# Allegro board 1155001-Timing_board_V3_20241024_1805_pcb.brd (continued)
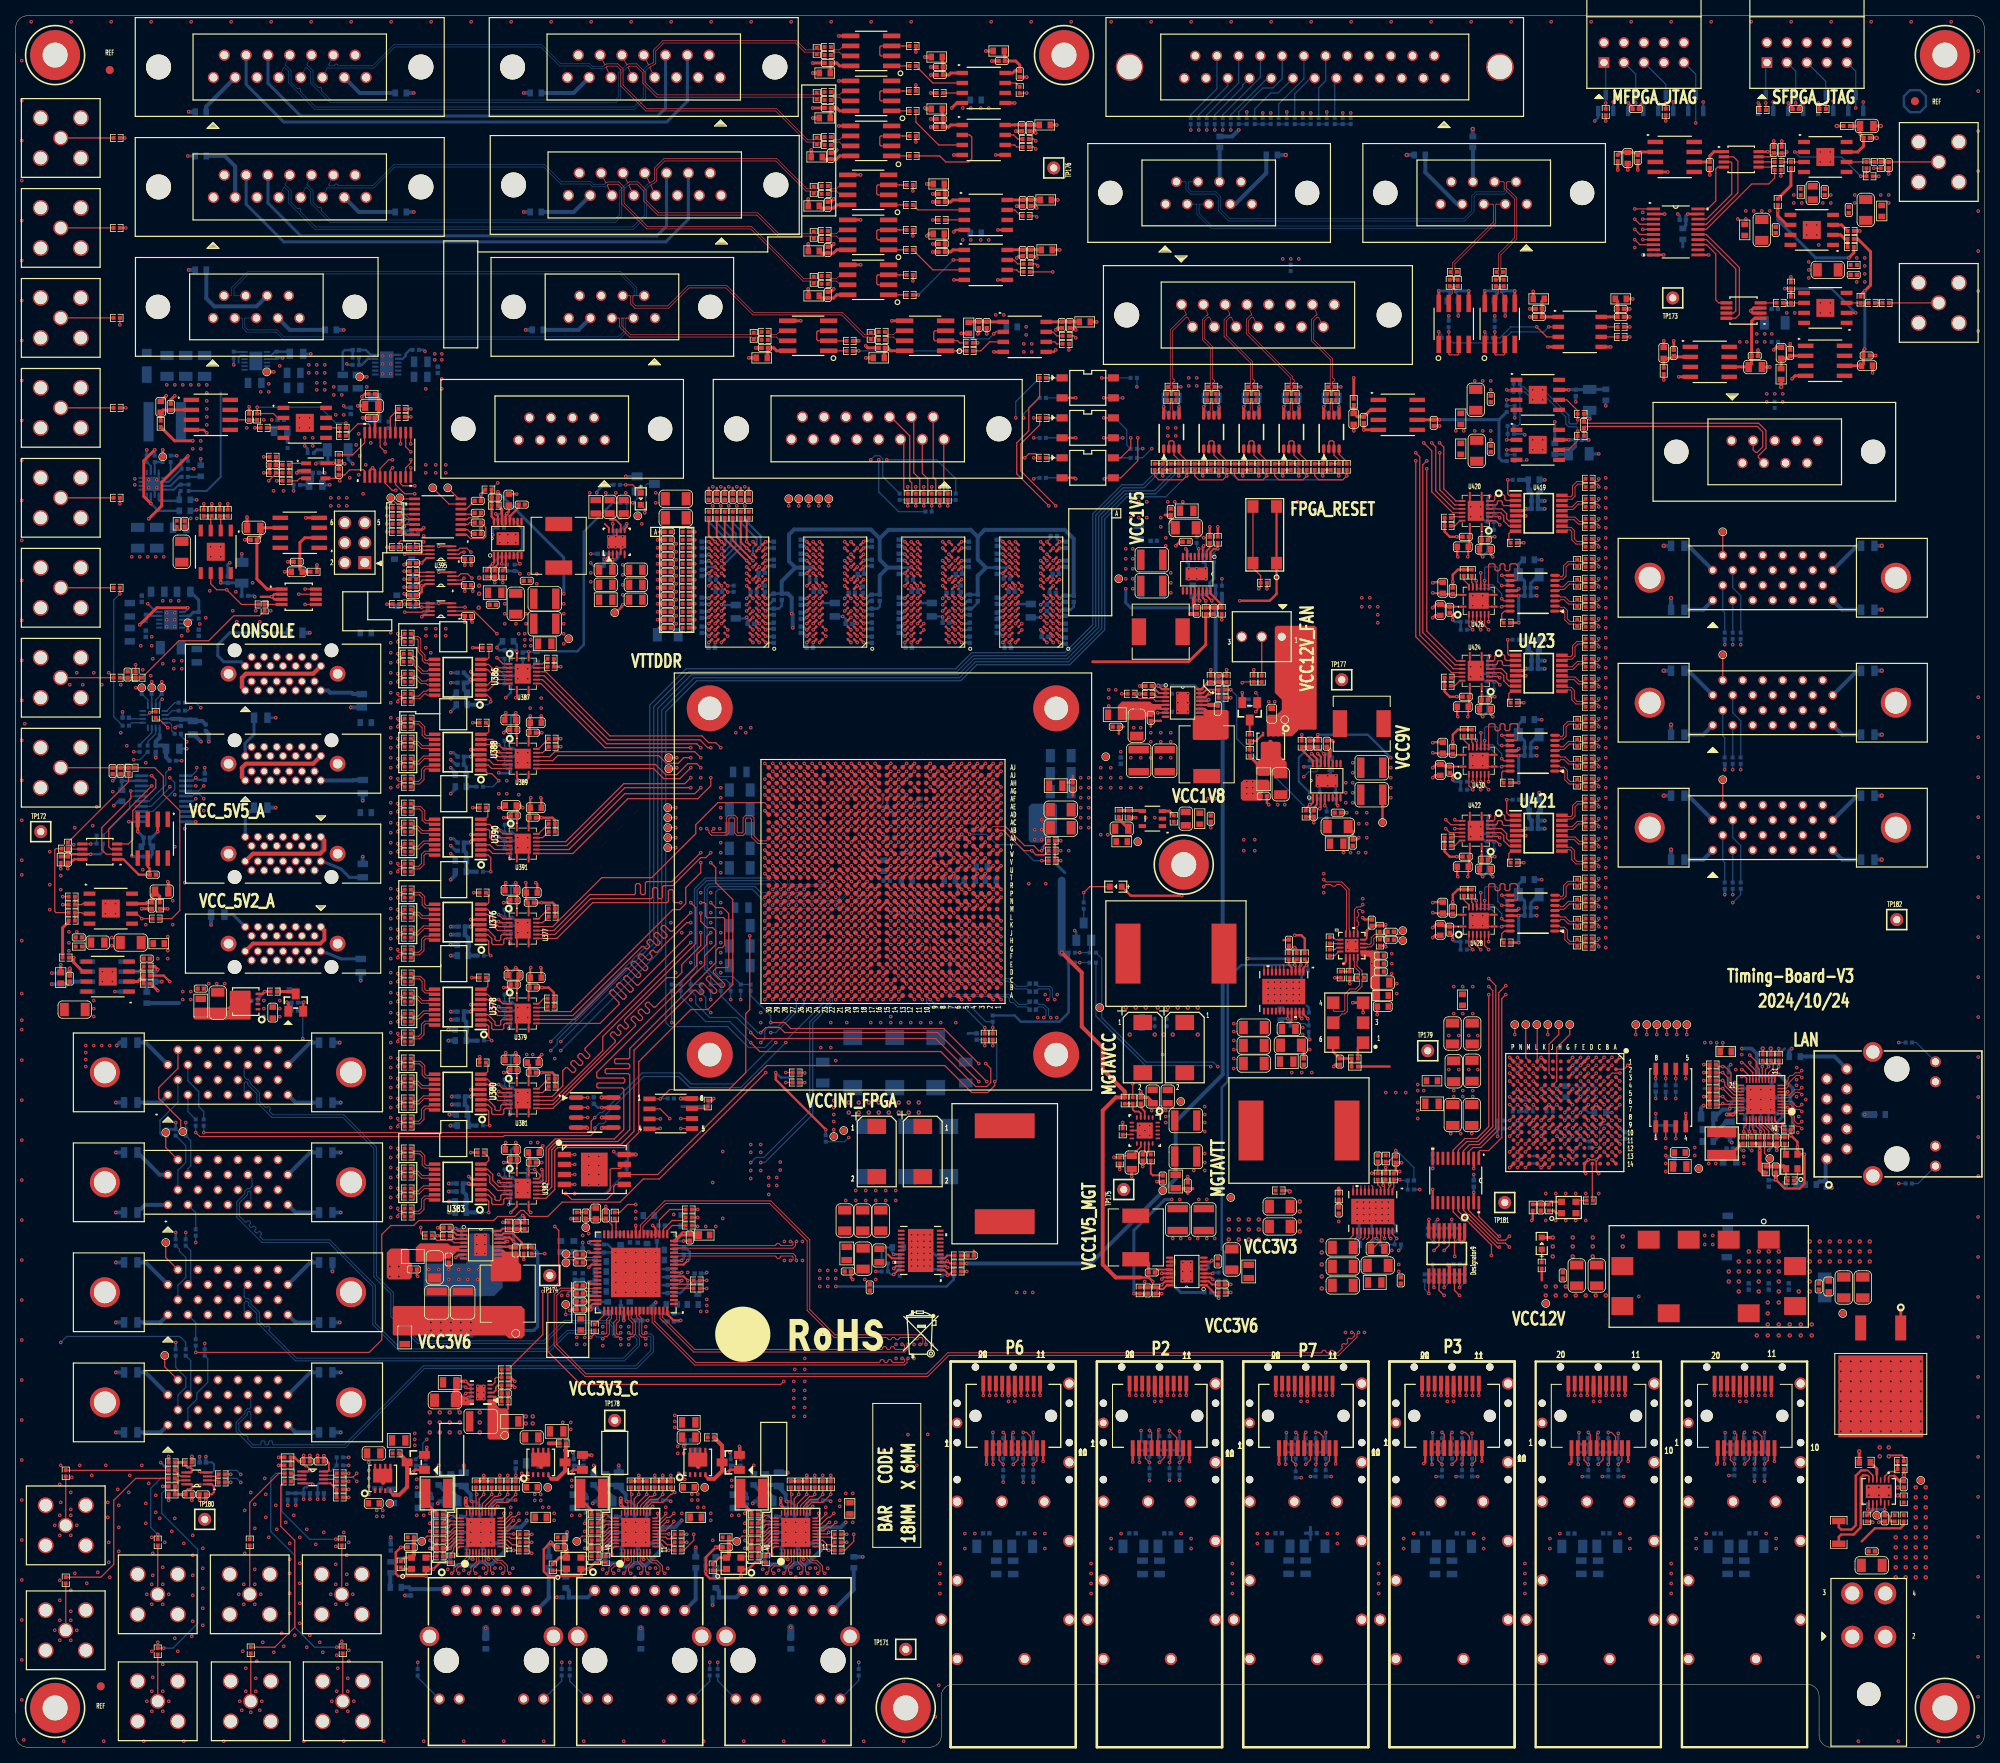
[diagram p0: board, top side]
## Routing (per net, layer and track width the routed paths; a pad name or vN(x,y) marks a point on that pad's centre or on a via; arc(x,y) is an arc through that point) (continued)
TIMING_SPI_MISO_7_P_H: length 4.4
  TOP w0.157: U423.7 189.65,134.84 188.98,135.51 188.98,136.14 188.59,136.53 U424.4
TIMING_SPI_MOSI_1_N_C: length 46.6
  TOP w0.122: R2936.2 49.04,67.78 48.64,67.78 48.51,67.66 v1(48.51,67.44)
  ART03 w0.099: J62.25 32.92,46.29 32.92,45.07 33.02,44.97 33.16,44.97 33.31,45.13 33.31,45.33 34.05,46.07 35.55,46.07 36.07,46.59 36.07,46.84 36.23,46.99 36.48,46.99 36.63,47.15 36.63,47.4 36.79,47.56 37.04,47.56 37.2,47.71 37.2,47.96 37.35,48.12 37.6,48.12 37.76,48.27 37.76,48.52 37.91,48.68 38.16,48.68 38.32,48.83 38.32,49.08 38.47,49.24 38.72,49.24 38.88,49.39 38.88,49.65 39.03,49.8 39.29,49.8 39.44,49.95 39.44,50.21 39.59,50.36 39.85,50.36 40,50.51 40,50.77 40.15,50.92 40.41,50.92 41.47,51.98 44.58,51.98 49.48,56.89 49.48,57.4 49.38,57.5 48.26,57.5 47.96,57.8 47.96,58.48 48.26,58.78 49.38,58.78 49.48,58.88 49.48,62.89 49.38,62.98 48,62.98 47.7,63.28 47.7,63.96 48,64.26 49.38,64.26 49.48,64.36 49.48,64.76 49.38,64.86 48,64.86 47.7,65.16 47.7,65.84 48,66.14 49.38,66.14 49.48,66.24 49.48,67.67 49.38,67.77 48.85,67.77 v1(48.51,67.44)
TIMING_SPI_MOSI_1_P: length 83.9
  TOP w0.157: U382.10 67.33,69.75 68.45,70.87 68.45,75.82 68.83,76.2 77.22,76.2 79.12,78.11 79.12,87.12 85.72,93.73 87.88,93.73 91.06,96.9 91.06,107.7 88.9,109.86 88.9,111.76 v1(88.27,112.39) ; U247.AA20 v1(105.14,116)
  ART10 w0.117: v1(88.27,112.39) 87.76,112.39 87.12,113.03 86.87,113.03 86.49,113.41 86.49,113.79 86.82,114.12 92.28,114.12 93.6,115.44 104.58,115.44 v1(105.14,116)
TIMING_SPI_MOSI_1_P_C: length 46.6
  TOP w0.122: v1(48.51,68.45) 48.51,68.23 48.64,68.11 49.04,68.11 R2935.2
  ART03 w0.099: v1(48.51,68.45) 48.85,68.12 49.52,68.12 49.82,67.82 49.82,66.1 49.52,65.8 48.14,65.8 48.04,65.7 48.04,65.3 48.14,65.2 49.52,65.2 49.82,64.9 49.82,64.22 49.52,63.92 48.14,63.92 48.04,63.82 48.04,63.43 48.14,63.33 49.52,63.33 49.82,63.03 49.82,58.73 49.52,58.43 48.4,58.43 48.31,58.33 48.31,57.94 48.4,57.84 49.52,57.84 49.82,57.54 49.82,56.74 44.72,51.64 41.61,51.64 35.7,45.73 34.19,45.73 33.66,45.19 33.66,44.98 33.3,44.63 33.05,44.63 32.92,44.49 32.92,43.24 J62.12
TIMING_SPI_MOSI_1_P_H: length 5.1
  TOP w0.157: U382.7 62.13,69.75 61.98,69.59 61.98,69.12 61.82,68.96 60.61,68.96 60.45,69.12 60.45,69.72 59.98,70.19 U383.2
TIMING_SPI_MOSI_2_N_C: length 41.6
  TOP w0.122: R2894.2 49.04,90 48.64,90 48.51,89.88 v1(48.51,89.66)
  ART03 w0.099: J73.25 32.92,74.26 32.92,73 33.02,72.9 33.25,72.9 33.35,73 33.35,73.29 35,74.94 35,75.08 34.86,75.22 34.86,75.36 35,75.5 35.14,75.5 35.28,75.36 35.42,75.36 35.56,75.5 35.56,75.64 35.42,75.78 35.42,75.92 35.56,76.06 35.7,76.06 35.84,75.92 35.98,75.92 36.39,76.33 36.39,76.48 36.02,76.85 36.02,77.27 36.51,77.75 36.93,77.75 37.3,77.38 37.44,77.38 37.72,77.66 37.72,77.8 37.35,78.17 37.35,78.6 37.83,79.08 38.26,79.08 38.63,78.71 38.77,78.71 39.05,78.99 39.05,79.13 38.68,79.5 38.68,79.92 39.16,80.41 39.58,80.41 39.95,80.03 40.09,80.03 42.05,81.99 42.05,82.13 41.36,82.82 41.36,83.25 41.84,83.73 42.26,83.73 42.96,83.04 43.1,83.04 44.81,84.75 44.81,85.88 45.06,86.12 45.06,86.26 44.32,87.01 44.32,87.43 44.8,87.91 45.22,87.91 45.97,87.17 46.11,87.17 46.39,87.45 46.39,87.59 45.64,88.33 45.64,88.76 46.13,89.24 46.55,89.24 47.29,88.5 47.43,88.5 47.96,89.03 49.3,89.03 49.58,89.31 49.58,89.74 49.32,90 48.85,90 v1(48.51,89.66)
TIMING_SPI_MOSI_2_P: length 47.3
  TOP w0.122: U247.M29 v1(96.14,106)
  TOP w0.157: v1(85.72,103.5) 79.07,96.85 78.85,96.85 77.67,98.02 77.45,98.02 77.23,97.8 77.23,97.58 78.4,96.4 78.4,96.18 78.18,95.96 77.96,95.96 76.78,97.13 76.56,97.13 76.34,96.91 76.34,96.69 77.51,95.51 77.51,95.29 77.29,95.07 77.07,95.07 75.89,96.24 75.67,96.24 75.45,96.02 75.45,95.8 76.62,94.62 76.62,94.4 74.19,91.97 U379.10
  ART05 w0.102: v1(96.14,106) 95.74,105.6 94.64,105.6
  ART05 w0.117: 94.64,105.6 91.63,105.6 90.75,104.72 88.88,104.72 88.49,104.34 86.56,104.34 v1(85.72,103.5)
TIMING_SPI_MOSI_2_P_C: length 41.6
  TOP w0.122: v1(48.51,90.68) 48.51,90.46 48.64,90.34 49.04,90.34 R2893.2
  ART03 w0.099: v1(48.51,90.68) 48.85,90.34 49.46,90.34 49.92,89.88 49.92,89.16 49.44,88.68 48.11,88.68 47.57,88.15 47.15,88.15 46.41,88.9 46.27,88.9 45.99,88.61 45.99,88.47 46.73,87.73 46.73,87.31 46.25,86.83 45.82,86.83 45.08,87.57 44.94,87.57 44.66,87.29 44.66,87.15 45.4,86.41 45.4,85.98 45.16,85.73 45.16,84.61 43.24,82.69 42.81,82.69 42.12,83.39 41.98,83.39 41.7,83.1 41.7,82.97 42.39,82.27 42.39,81.85 40.24,79.69 39.81,79.69 39.44,80.06 39.3,80.06 39.02,79.78 39.02,79.64 39.39,79.27 39.39,78.85 38.91,78.36 38.48,78.36 38.11,78.74 37.97,78.74 37.69,78.45 37.69,78.32 38.06,77.94 38.06,77.52 37.58,77.04 37.16,77.04 36.79,77.41 36.65,77.41 36.37,77.13 36.37,76.99 36.74,76.62 36.74,76.19 33.69,73.15 33.69,72.86 33.39,72.56 33.02,72.56 32.92,72.46 32.92,71.2 J73.12
TIMING_SPI_MOSI_2_P_H: length 5.1
  TOP w0.157: U378.2 59.98,92.42 60.45,91.95 60.45,91.34 60.61,91.19 61.82,91.19 61.98,91.34 61.98,91.81 62.13,91.97 U379.7
TIMING_SPI_MOSI_3_N_C: length 40.8
  TOP w0.122: R2878.2 49.04,100.67 48.64,100.67 48.51,100.55 v1(48.51,100.33)
  ART03 w0.099: v1(48.51,100.33) 48.85,100.67 51.2,100.67 51.3,100.57 51.3,95.45 51.18,95.33 50.81,95.33 50.71,95.43 50.71,99.27 50.41,99.57 47.25,99.57 46.77,99.1 46.77,98.19 41.13,92.54 40.22,92.54 36.61,88.93 36.47,88.93 36.31,89.09 36.17,89.09 36.03,88.95 36.03,88.81 36.19,88.65 36.19,88.51 35.84,88.16 35.24,88.16 35.14,88.26 35.14,88.45 35.04,88.55 34.84,88.55 34.74,88.45 34.74,88.26 34.64,88.16 34.18,88.16 33.35,87.33 33.35,86.97 33.25,86.87 33.02,86.87 32.92,86.97 32.92,88.23 J74.25
TIMING_SPI_MOSI_3_P: length 44.4
  TOP w0.122: U247.U24 v1(101.14,112)
  TOP w0.157: v1(84.45,107.31) 83.67,107.31 83.51,107.47 83.51,108.81 83.36,108.97 83.04,108.97 82.88,108.81 82.88,107.47 82.73,107.31 73.28,107.31 68.73,102.77 U377.10
  ART08 w0.102: v1(101.14,112) 101.6,111.54 101.6,110.49 100.97,109.86 100.97,109.22 100.35,108.6 94.36,108.6
  ART08 w0.117: v1(84.45,107.31) 85.27,108.13 89.2,108.13 89.68,108.6 94.36,108.6
TIMING_SPI_MOSI_3_P_C: length 40.8
  TOP w0.122: v1(48.51,101.35) 48.51,101.13 48.64,101 49.04,101 R2877.2
  ART03 w0.099: v1(48.51,101.35) 48.85,101.01 51.34,101.01 51.64,100.71 51.64,95.31 51.32,94.98 50.66,94.98 50.36,95.28 50.36,99.13 50.26,99.23 47.39,99.23 47.12,98.95 47.12,98.04 41.27,92.2 40.37,92.2 35.98,87.82 34.33,87.82 33.69,87.18 33.69,86.83 33.39,86.53 33.02,86.53 32.92,86.43 32.92,85.17 J74.12
TIMING_SPI_MOSI_3_P_H: length 5.1
  TOP w0.157: U377.7 62.13,102.77 61.98,102.61 61.98,102.14 61.82,101.98 60.61,101.98 60.45,102.14 60.45,102.74 59.98,103.21 U376.2
TIMING_SPI_MOSI_4_N_C: length 45.2
  TOP w0.122: R2912.2 49.04,79.21 48.64,79.21 48.51,79.09 v1(48.51,78.87)
  ART03 w0.099: v1(48.51,78.87) 48.85,79.2 49.32,79.2 49.53,78.99 49.53,78.26 48.74,77.47 46.75,77.47 46.45,77.17 46.45,75.68 46.35,75.59 45.95,75.59 45.85,75.68 45.85,77.17 45.55,77.47 44.58,77.47 43.36,76.25 43.36,75.83 44.63,74.56 44.63,74.42 44.34,74.14 44.2,74.14 42.94,75.4 42.51,75.4 40.01,72.9 40.01,66.5 40.43,66.07 40.81,66.07 40.91,65.98 40.91,65.58 40.81,65.48 40.43,65.48 40.13,65.18 40.13,63.12 37.08,60.07 36.41,60.07 36.31,60.17 36.31,60.37 36.21,60.47 36.01,60.47 35.91,60.37 35.91,60.17 35.81,60.07 35.61,60.07 35.51,60.17 35.51,60.37 35.42,60.47 35.22,60.47 35.12,60.37 35.12,60.17 35.02,60.07 34.09,60.07 33.3,59.28 33.3,59.03 33.2,58.93 33.02,58.93 32.92,59.03 32.92,60.29 J94.25
TIMING_SPI_MOSI_4_P: length 46.4
  TOP w0.122: U247.L30 v1(95.14,105)
  TOP w0.157: v1(88.27,103.5) 87.76,103 87.76,101.98 86.49,100.71 86.49,99.31 81.23,94.05 81,94.05 80.4,94.66 80.18,94.66 79.95,94.43 79.95,94.21 80.49,93.67 80.49,93.45 80.27,93.22 80.05,93.22 79.51,93.76 79.29,93.76 79.06,93.54 79.06,93.32 79.6,92.78 79.6,92.56 79.38,92.33 79.16,92.33 78.62,92.87 78.4,92.87 78.17,92.65 78.17,92.43 78.71,91.89 78.71,91.67 68.22,81.18 U381.10
  ART05 w0.117: v1(88.27,103.5) 88.9,103.5 89.34,103.94 91.03,103.94 91.98,104.9 95.04,104.9 v1(95.14,105)
TIMING_SPI_MOSI_4_P_C: length 45.2
  TOP w0.122: v1(48.51,79.88) 48.51,79.66 48.64,79.54 49.04,79.54 R2911.2
  ART03 w0.099: v1(48.51,79.88) 48.85,79.55 49.46,79.55 49.87,79.14 49.87,78.12 48.88,77.13 46.89,77.13 46.79,77.03 46.79,75.54 46.49,75.24 45.81,75.24 45.51,75.54 45.51,77.03 45.41,77.13 44.72,77.13 43.7,76.11 43.7,75.97 44.97,74.7 44.97,74.28 44.49,73.79 44.06,73.79 42.79,75.06 42.65,75.06 40.35,72.76 40.35,66.64 40.57,66.42 40.95,66.42 41.25,66.12 41.25,65.44 40.95,65.14 40.57,65.14 40.47,65.04 40.47,62.98 37.23,59.73 34.23,59.73 33.64,59.14 33.64,58.89 33.34,58.59 33.02,58.59 32.92,58.49 32.92,57.23 J94.12
TIMING_SPI_MOSI_4_P_H: length 5.1
  TOP w0.157: U380.2 59.98,81.62 60.45,81.15 60.45,80.55 60.61,80.39 61.82,80.39 61.98,80.55 61.98,81.02 62.13,81.18 U381.7
TIMING_SPI_MOSI_5_N_C: length 37.5
  TOP w0.122: v1(201.04,161.16) 201.04,160.94 200.92,160.82 200.51,160.82 R3204.2
  ART10 w0.099: v1(201.04,161.16) 201.04,160.93 201.14,160.83 219.87,160.83 228.42,152.28 228.42,150.95 229.61,149.76 229.75,149.76 229.9,149.91 229.9,151.04 J112.25
TIMING_SPI_MOSI_5_P: length 194.5
  TOP w0.157: U247.AB20 v1(106.14,117) ; U420.10 182.9,158.35 181.36,159.89 181.36,165.2 v1(180.82,165.74)
  ART05 w0.102: v1(106.14,117) 105.74,117.4 96.52,117.4
  ART05 w0.117: v1(180.82,165.74) 180.32,165.23 178.56,165.23 175.64,168.15 173.26,168.15 173.14,168.03 173.14,167.25 173.02,167.13 172.79,167.13 172.67,167.25 172.67,168.03 172.56,168.15 172.32,168.15 172.2,168.03 172.2,167.25 172.09,167.13 171.85,167.13 171.74,167.25 171.74,168.03 171.62,168.15 132.24,168.15 130.04,170.35 80.65,170.35 78.57,168.27 78.57,164.59 75.36,161.38 75.36,158.88 74.07,157.58 74.07,133.14 84.86,122.35 89.74,122.35 94.49,117.6 96.32,117.6 96.52,117.4
TIMING_SPI_MOSI_5_P_C: length 37.5
  TOP w0.122: v1(201.04,160.15) 201.04,160.37 200.92,160.49 200.51,160.49 R3202.2
  ART10 w0.099: v1(201.04,160.15) 201.38,160.48 219.73,160.48 228.08,152.13 228.08,150.8 229.46,149.42 229.8,149.42 229.9,149.32 229.9,148.04 J112.12
TIMING_SPI_MOSI_5_P_H: length 4.5
  TOP w0.157: U420.7 187.68,158.35 187.83,158.5 187.83,158.97 187.99,159.13 188.95,159.13 189.1,158.97 189.1,158.6 189.29,158.41 U419.2
TIMING_SPI_MOSI_6_N_C: length 37.1
  TOP w0.122: R3220.2 200.51,120.18 200.92,120.18 201.04,120.3 v1(201.04,120.52)
  ART10 w0.099: J113.25 229.9,119.29 229.9,118.16 229.75,118.01 229.61,118.01 228.42,119.2 228.42,121.74 226.89,123.28 208.12,123.28 205.02,120.19 201.14,120.19 201.04,120.29 v1(201.04,120.52)
TIMING_SPI_MOSI_6_P: length 172.6
  TOP w0.122: U247.AE21 v1(105.14,120)
  TOP w0.157: U422.10 182.9,117.71 v1(182.75,117.86)
  ART05 w0.102: v1(105.14,120) 105.14,120.38 105.54,120.78 105.54,125.22 105.44,125.32 105.44,126.47
  ART05 w0.117: 105.44,126.47 92.96,138.94 86.74,138.94 85.8,139.88 85.8,153.75 85.98,153.92 86.49,153.92 87.62,155.06 129.69,155.06 130.77,156.14 135.58,156.14 138.56,153.16 142.37,153.16 144.65,150.88 155.95,150.88 156.07,150.76 156.07,149.98 156.18,149.86 156.42,149.86 156.53,149.98 156.53,150.89 156.65,151 156.88,151 157,150.89 157,149.98 157.12,149.86 157.35,149.86 157.47,149.98 157.47,150.89 157.59,151 157.82,151 157.94,150.89 157.94,149.98 158.05,149.86 158.29,149.86 158.4,149.98 158.4,150.76 158.52,150.88 159.26,150.88 178.56,131.57 178.56,122.05 v1(182.75,117.86)
TIMING_SPI_MOSI_6_P_C: length 37.1
  TOP w0.122: R3218.2 200.51,119.85 200.92,119.85 201.04,119.73 v1(201.04,119.51)
  ART10 w0.099: v1(201.04,119.51) 201.38,119.84 205.16,119.84 208.26,122.94 226.75,122.94 228.08,121.6 228.08,119.05 229.46,117.67 229.8,117.67 229.9,117.57 229.9,116.29 J113.12
TIMING_SPI_MOSI_6_P_H: length 4.5
  TOP w0.157: U421.2 189.29,117.77 189.1,117.96 189.1,118.33 188.95,118.49 187.99,118.49 187.83,118.33 187.83,117.86 187.68,117.71 U422.7
TIMING_SPI_MOSI_7_N_C: length 36.5
  TOP w0.122: R3236.2 200.51,140.5 200.92,140.5 201.04,140.62 v1(201.04,140.84)
  ART10 w0.099: J114.25 229.9,135.17 229.9,134.04 229.75,133.89 229.61,133.89 228.42,135.07 228.42,136.93 224.3,141.06 203.18,141.06 202.63,140.51 201.14,140.51 201.04,140.61 v1(201.04,140.84)
TIMING_SPI_MOSI_7_P: length 194.8
  TOP w0.122: U247.AH25 v1(100.14,123)
  TOP w0.157: v1(179.2,162.43) 179.2,141.82 182.99,138.03 U424.10
  ART05 w0.102: 94.74,120.73 94.87,120.6 99.3,120.6 99.54,120.83 99.54,120.84 99.57,120.87 99.57,122.43 v1(100.14,123)
  ART05 w0.117: 94.74,120.73 93.98,120.73 90.03,124.68 87.89,124.68 87.31,125.27 85.48,125.27 76.96,133.78 76.96,144.35 77.52,144.91 77.52,154.13 76.87,154.78 76.87,157.69 78.23,159.05 78.23,159.69 82.63,164.08 125.98,164.08 126.87,164.97 138.71,164.97 139.85,163.83 169.87,163.83 169.99,163.71 169.99,162.86 170.11,162.75 170.34,162.75 170.46,162.86 170.46,163.56 170.58,163.68 170.89,163.68 171.01,163.56 171.01,162.8 171.13,162.69 171.36,162.69 171.48,162.8 171.48,163.56 171.59,163.68 171.83,163.68 171.94,163.56 171.94,162.8 172.06,162.69 172.29,162.69 172.41,162.8 172.41,163.56 172.53,163.68 172.76,163.68 172.88,163.56 172.88,162.55 172.99,162.43 v1(179.2,162.43)
TIMING_SPI_MOSI_7_P_C: length 36.5
  TOP w0.122: R3234.2 200.51,140.17 200.92,140.17 201.04,140.05 v1(201.04,139.83)
  ART10 w0.099: v1(201.04,139.83) 201.38,140.16 202.77,140.16 203.33,140.72 224.16,140.72 228.08,136.79 228.08,134.93 229.46,133.54 229.8,133.54 229.9,133.45 229.9,132.16 J114.12
TIMING_SPI_MOSI_7_P_H: length 4.5
  TOP w0.157: U423.2 189.29,138.09 189.1,138.28 189.1,138.65 188.95,138.81 187.99,138.81 187.83,138.65 187.83,138.18 187.68,138.03 U424.7
TMP75_ALERT: length 51.1
  TOP w0.157: U247.J21 v1(105.14,103) ; U79.3 v1(72.64,80.01)
  ART10 w0.102: 94.74,99.31 95.03,99.6 97.44,99.6 97.66,99.82 97.66,100.46 97.79,100.58 98.55,100.58 98.68,100.71 98.68,101.22 98.93,101.47 99.44,101.47 99.69,101.73 99.69,102.23 99.95,102.49 104.27,102.49 104.78,103 v1(105.14,103)
  ART10 w0.117: v1(72.64,80.01) 73.28,80.64 75.02,80.64 79.72,85.34 89.15,85.34 90.93,87.12 90.93,91.19 94.31,94.56 94.31,98.88 94.74,99.31
  BOTTOM w0.157: R501.2 v1(72.64,80.01)
TMP75_IIC_SCL: length 48.6
  TOP w0.157: U247.K21 v1(104.14,104) ; U79.2 v1(72.64,81.28)
  ART10 w0.102: v1(104.14,104) 103.64,103.5 99.95,103.5 99.57,103.12 99.57,102.62 99.44,102.49 98.93,102.49 98.68,102.23 98.68,101.73 98.42,101.47 97.92,101.47 97.66,101.22 97.66,100.84 97.22,100.4 94.94,100.4 94.49,99.95
  ART10 w0.117: 94.49,99.95 93.85,99.31 93.85,94.83 89.57,90.55 80.05,90.55 73.15,83.65 73.15,81.79 v1(72.64,81.28)
  BOTTOM w0.157: R500.2 v1(72.64,81.28)
TMP75_IIC_SDA: length 48.6
  TOP w0.157: U79.1 v1(72.64,82.55) ; U247.L21 v1(104.14,105)
  ART10 w0.102: v1(104.14,105) 103.66,104.52 99.95,104.52 99.69,104.27 99.69,103.63 99.57,103.5 98.81,103.5 98.68,103.38 98.68,102.74 98.42,102.49 97.79,102.49 97.66,102.36 97.66,101.73 97.41,101.47 95.89,101.47 95.63,101.22 95.63,100.84 95.39,100.6 94.86,100.6
  ART10 w0.117: 94.86,100.6 94.51,100.6 92.71,98.81 92.71,94.28 89.4,90.97 79.87,90.97 72.64,83.74 v1(72.64,82.55)
  BOTTOM w0.157: R499.2 v1(72.64,82.55)
TO_DATA_ACQ_1_CLK_N: length 71.4
  TOP w0.122: v1(80.01,52.67) 79.8,52.45 79.62,52.45 79.5,52.58 79.5,54.48 79.16,54.83 79.16,55.03 79.24,55.11 U105.61
  BOTTOM w0.122: v1(80.01,52.67) 80.15,52.53 80.66,52.53 80.98,52.21 80.98,50.24 78.87,48.13 51.9,48.13 41.87,38.1 30.01,38.1 27.99,40.12 27.99,41.28 29.08,42.38 29.08,42.67 29.41,43 29.66,43 29.84,43.18 29.84,44.42 J62.22
TO_DATA_ACQ_1_CLK_P: length 71.4
  TOP w0.122: U105.60 78.74,55.12 78.82,55.03 78.82,54.69 79.17,54.35 79.17,52.44 79.49,52.12 79.79,52.12 v1(80.01,51.9)
  BOTTOM w0.122: J62.9 29.84,41.31 29.84,42.55 29.72,42.67 29.55,42.67 29.41,42.54 29.41,42.24 28.32,41.15 28.32,40.26 28.97,39.61 29.3,39.61 29.48,39.42 29.48,39.1 30.15,38.43 31.04,38.43 31.16,38.55 31.16,38.8 31.28,38.93 31.52,38.93 31.65,38.8 31.65,38.55 31.77,38.43 32.01,38.43 32.13,38.55 32.13,38.8 32.25,38.93 32.5,38.93 32.62,38.8 32.62,38.55 32.74,38.43 41.73,38.43 51.77,48.46 78.73,48.46 80.64,50.38 80.64,52.08 80.52,52.2 80.3,52.2 80.01,51.91 v1(80.01,51.9)
TO_DATA_ACQ_2_CLK_N: length 68.4
  TOP w0.122: U105.54 75.74,55.04 75.66,54.95 75.66,54.49 75.39,54.22 75.39,52.5 75.07,52.19 74.83,52.19 v1(74.55,51.9)
  BOTTOM w0.122: J73.22 30,72.23 30,71.27 29.71,70.98 29.41,70.98 29.08,70.65 29.08,70.32 28.07,69.3 28.07,67.35 31.28,64.14 39.75,64.14 45.34,58.55 45.34,53.72 48.77,50.29 67.82,50.29 70.15,52.63 73.27,52.63 73.78,52.12 74.33,52.12 v1(74.55,51.9)
TO_DATA_ACQ_2_CLK_P: length 68.4
  TOP w0.122: U105.53 75.24,55.06 75.32,54.98 75.32,54.62 75.06,54.36 75.06,52.64 74.94,52.52 74.7,52.52 v1(74.55,52.67)
  BOTTOM w0.122: v1(74.55,52.67) 74.33,52.45 73.91,52.45 73.41,52.96 70.02,52.96 67.68,50.62 48.9,50.62 45.67,53.86 45.67,58.68 39.89,64.47 31.42,64.47 31.04,64.85 31.04,65.02 31.19,65.17 31.19,65.34 31.01,65.51 30.84,65.51 30.69,65.36 30.52,65.36 30.35,65.54 30.35,65.71 30.5,65.86 30.5,66.03 30.33,66.2 30.15,66.2 30.01,66.05 29.83,66.05 29.66,66.22 29.66,66.4 29.81,66.54 29.81,66.72 29.64,66.89 29.46,66.89 29.32,66.74 29.14,66.74 28.4,67.49 28.4,69.16 29.41,70.18 29.41,70.51 29.55,70.65 29.72,70.65 29.84,70.53 29.84,69.28 J73.9
TO_DATA_ACQ_3_CLK_N: length 82.2
  TOP w0.122: U105.56 76.74,55.02 76.66,54.94 76.66,54.22 76.28,53.84 76.28,52.61 76.4,52.49 76.66,52.49 v1(76.83,52.67)
  BOTTOM w0.122: v1(76.83,52.67) 76.57,52.4 76.21,52.4 76.07,52.54 76.07,53.59 75.44,54.23 69.64,54.23 67.05,51.64 51.19,51.64 47.96,54.87 47.96,57.76 45.8,59.92 45.8,76.24 41.67,80.37 32.65,80.37 32.23,80.79 32.23,80.96 32.31,81.04 32.31,81.21 32.14,81.39 31.97,81.39 31.88,81.3 31.71,81.3 30.94,82.08 30.94,83.2 29.79,84.34 29.79,84.56 29.48,84.87 29.3,84.87 29.01,85.17 29.01,86.23 J74.22
TO_DATA_ACQ_3_CLK_P: length 82.2
  TOP w0.122: U105.55 76.24,55.08 76.32,54.99 76.32,54.35 75.94,53.97 75.94,52.47 76.26,52.16 76.58,52.16 v1(76.83,51.9)
  BOTTOM w0.122: v1(76.83,51.9) 76.67,52.07 76.07,52.07 75.74,52.4 75.74,53.46 75.3,53.9 69.77,53.9 67.18,51.31 51.05,51.31 47.62,54.74 47.62,57.62 45.47,59.78 45.47,76.1 41.53,80.04 32.51,80.04 30.61,81.94 30.61,83.06 29.46,84.2 29.46,84.42 29.34,84.54 29.17,84.54 29.01,84.38 29.01,83.37 J74.9
TO_DATA_ACQ_4_CLK_N: length 63.2
  TOP w0.122: U105.59 78.24,55.13 78.16,55.04 78.16,54.56 78.69,54.03 78.69,52.49 78.36,52.16 78.11,52.16 v1(77.85,51.9)
  BOTTOM w0.122: v1(77.85,51.9) 78.07,52.12 78.6,52.12 78.89,51.83 78.89,51.16 77.16,49.43 35.65,49.43 32.18,52.9 32.18,53.07 32.28,53.17 32.28,53.34 32.1,53.51 31.93,53.51 31.83,53.41 31.66,53.41 30.94,54.14 30.94,55.26 29.87,56.32 29.87,56.69 29.56,57.01 29.23,57.01 29.01,57.23 29.01,58.29 J94.22
TO_DATA_ACQ_4_CLK_P: length 63.2
  TOP w0.122: v1(77.85,52.67) 78.03,52.49 78.22,52.49 78.36,52.63 78.36,53.89 77.82,54.42 77.82,55.02 77.74,55.1 U105.58
  BOTTOM w0.122: v1(77.85,52.67) 78.07,52.45 78.74,52.45 79.22,51.97 79.22,51.03 77.29,49.1 35.51,49.1 30.61,54 30.61,55.12 29.54,56.18 29.54,56.56 29.42,56.68 29.25,56.68 29.01,56.44 29.01,55.43 J94.9
TO_DATA_ACQ_5_CLK_N: length 222.5
  TOP w0.122: v1(112.56,51.18) 112.76,51.18 112.88,51.06 112.88,50.67 112.76,50.55 111.7,50.55 111.58,50.67 111.58,50.78 111.46,50.9 111.21,50.9 111.09,50.78 111.09,50.67 110.97,50.55 110.73,50.55 110.6,50.67 110.6,50.78 110.48,50.9 110.24,50.9 110.12,50.78 110.12,50.67 109.99,50.55 86.23,50.55 82.16,54.62 82.16,54.95 82.24,55.03 U105.67
  ART05 w0.099: J112.22 226.06,149.17 226.06,147.91 225.96,147.81 225.66,147.81 224.28,146.43 224.28,145.29 220.98,141.99 217.57,141.99 212.51,136.92 212.51,95.39 208.91,91.8 208.91,88.2 204.38,83.66 204.38,75.63 202.92,74.17 196.09,74.17 194.97,73.05 188.64,73.05 184.68,69.09 178.41,69.09 175.36,66.04 173.12,66.04 166.35,59.27 165.21,59.27 162.54,56.6 117.46,56.6 112.77,51.91 112.77,51.28 112.67,51.18 v1(112.56,51.18)
TO_DATA_ACQ_5_CLK_P: length 222.5
  TOP w0.122: U105.66 81.74,55.03 81.82,54.95 81.82,54.49 86.1,50.22 112.89,50.22 113.21,50.53 113.21,51.07 v1(113.32,51.18)
  ART05 w0.099: v1(113.32,51.18) 113.21,51.18 113.11,51.28 113.11,51.77 113.24,51.9 113.52,51.9 113.66,52.04 113.66,52.32 113.8,52.46 114.08,52.46 114.22,52.6 114.22,52.88 114.37,53.02 114.64,53.02 114.79,53.16 114.79,53.44 117.6,56.26 162.69,56.26 165.35,58.93 166.5,58.93 173.27,65.7 175.5,65.7 178.55,68.75 184.82,68.75 188.79,72.71 195.11,72.71 196.23,73.83 203.06,73.83 204.72,75.49 204.72,83.52 209.26,88.05 209.26,91.66 212.85,95.25 212.85,136.78 217.72,141.64 221.12,141.64 224.62,145.15 224.62,146.29 225.8,147.47 225.96,147.47 226.06,147.37 226.06,146.11 J112.9
TO_DATA_ACQ_6_CLK_N: length 195.4
  TOP w0.122: U105.65 81.24,55.03 81.16,54.95 81.16,54.1 86.36,48.9 109.67,48.9 109.79,49.02 109.79,49.13 109.91,49.25 110.15,49.25 110.27,49.13 110.27,49.02 110.4,48.9 110.64,48.9 110.76,49.02 110.76,49.13 110.88,49.25 111.13,49.25 111.25,49.13 111.25,49.02 111.37,48.9 112.74,48.9 112.86,49.02 112.86,49.28 112.74,49.4 v1(112.56,49.4)
  ART05 w0.099: v1(112.56,49.4) 112.67,49.4 112.77,49.5 112.77,49.93 113.07,50.23 116.62,50.23 120.97,54.57 166.33,54.57 174.12,62.36 175.51,62.36 177.2,64.05 177.2,65.17 178.67,66.64 186.04,66.64 186.93,67.53 189.57,67.53 193.17,71.12 202.69,71.12 206.41,74.84 206.41,77.99 210.05,81.63 210.05,86.45 211.46,87.86 211.46,91.57 214.54,94.65 214.54,106.95 220.08,112.48 223.23,112.48 224.28,113.54 224.28,114.68 225.66,116.06 225.96,116.06 226.06,116.16 226.06,117.42 J113.22
TO_DATA_ACQ_6_CLK_P: length 195.4
  TOP w0.122: U105.64 80.74,55.03 80.82,54.95 80.82,53.96 86.22,48.56 112.88,48.56 113.2,48.88 113.2,49.28 v1(113.32,49.4)
  ART05 w0.099: v1(113.32,49.4) 113.21,49.4 113.11,49.5 113.11,49.79 113.21,49.89 114.54,49.89 114.64,49.79 114.64,49.73 114.74,49.63 114.93,49.63 115.03,49.73 115.03,49.79 115.13,49.89 115.33,49.89 115.43,49.79 115.43,49.73 115.53,49.63 115.73,49.63 115.83,49.73 115.83,49.79 115.92,49.89 116.77,49.89 121.11,54.23 166.47,54.23 174.26,62.01 175.66,62.01 177.55,63.9 177.55,65.02 178.82,66.29 186.18,66.29 187.07,67.18 189.72,67.18 193.31,70.78 202.83,70.78 206.76,74.7 206.76,77.85 210.39,81.48 210.39,86.31 211.8,87.72 211.8,91.42 214.88,94.51 214.88,106.81 220.22,112.14 223.37,112.14 224.62,113.4 224.62,114.54 225.8,115.72 225.96,115.72 226.06,115.62 226.06,114.36 J113.9
TO_DATA_ACQ_7_CLK_N: length 225.3
  TOP w0.122: U105.25 79.24,65.62 79.32,65.7 79.32,66.33 82.41,69.42 95.9,69.42 100.84,64.48 100.84,55.63 104.06,52.4 115.2,52.4 115.52,52.08 115.52,51.27 v1(115.61,51.18)
  ART05 w0.099: v1(115.61,51.18) 115.5,51.18 115.4,51.28 115.4,51.52 119.13,55.24 165.99,55.24 174.37,63.63 175.49,63.63 176.53,64.67 176.53,65.37 178.73,67.56 185.42,67.56 189.6,71.74 202.4,71.74 205.74,75.08 205.74,83.1 210.45,87.81 210.45,91.45 213.87,94.87 213.87,121.79 218.69,126.62 225.3,126.62 227.08,128.4 227.08,130.56 225.7,131.94 225.4,131.94 225.3,132.04 225.3,133.29 J114.22
TO_DATA_ACQ_7_CLK_P: length 225.4
  TOP w0.122: U105.24 79.74,65.62 79.65,65.7 79.65,66.19 82.55,69.09 95.76,69.09 100.51,64.34 100.51,55.49 103.93,52.07 110.61,52.07 110.73,51.95 110.73,51.91 110.85,51.79 111.1,51.79 111.22,51.91 111.22,51.95 111.34,52.07 111.58,52.07 111.71,51.95 111.71,51.91 111.83,51.79 112.07,51.79 112.19,51.91 112.19,51.95 112.32,52.07 114.02,52.07 114.14,51.95 114.14,51.89 114.26,51.77 114.51,51.77 114.63,51.89 114.63,51.95 114.75,52.07 115.07,52.07 115.19,51.95 115.19,51.3 115.07,51.18 v1(114.85,51.18)
  ART05 w0.099: v1(114.85,51.18) 114.96,51.18 115.06,51.28 115.06,51.66 115.22,51.82 115.22,51.96 115.21,51.97 115.21,52.11 115.35,52.25 115.49,52.25 115.5,52.24 115.64,52.24 115.78,52.38 115.78,52.52 115.77,52.54 115.77,52.68 115.91,52.82 116.05,52.82 116.06,52.8 116.2,52.8 116.34,52.94 116.34,53.08 116.33,53.1 116.33,53.24 116.47,53.38 116.61,53.38 116.62,53.37 116.76,53.37 118.98,55.59 165.85,55.59 174.23,63.97 175.35,63.97 176.19,64.81 176.19,65.51 178.58,67.91 185.28,67.91 189.46,72.09 202.26,72.09 205.4,75.22 205.4,83.24 210.11,87.95 210.11,91.59 213.53,95.01 213.53,121.94 218.55,126.96 225.16,126.96 226.73,128.54 226.73,130.41 225.55,131.59 225.4,131.59 225.3,131.49 225.3,130.24 J114.9
TRIG_IO1: length 49.3
  TOP w0.157: R1908.2 v1(13.97,170.18)
  ART03 w0.117: v1(14.99,125.48) 12.45,128.02 12.45,168.66 v1(13.97,170.18)
  BOTTOM w0.157: R931.1 15.77,125.48 v1(14.99,125.48)
TRIG_IO2: length 33.8
  TOP w0.157: R993.2 v1(13.23,157.99)
  ART03 w0.117: v1(14.99,126.49) 14.99,127.25 14.22,128.02 14.22,156.99 v1(13.23,157.99)
  BOTTOM w0.157: v1(14.99,126.49) 15.01,126.47 R3351.1
TRIG_IO4: length 18.3
  TOP w0.157: R2344.2 v1(13.23,146.56)
  BOTTOM w0.157: R934.1 12.45,130.92 12.45,145.78 v1(13.23,146.56)
UART_RX: length 102.1
  TOP w0.157: U247.E26 v1(99.14,99) ; R1923.1 v1(47.12,156.46)
  ART05 w0.102: 94.64,97.6 96.33,97.6 96.65,97.92 96.65,98.17 97.08,98.6 98.47,98.6 98.87,99 v1(99.14,99)
  ART05 w0.117: 94.64,97.6 94.57,97.6 92.84,95.87 92.84,95.12 91.92,94.21 78.38,94.21 62.87,109.73 62.87,111.12 60.45,113.54 60.45,129.03 60.83,129.41 60.83,135.25 60.3,135.79 60.3,144.22 59.05,145.47 56.44,145.47 52.45,149.45 52.45,150.5 51.94,151 51.5,151 47.75,154.75 47.75,155.83 v1(47.12,156.46)